# Altium PCB PCB1.PcbDoc (part 1 of 6)
Units mil, origin at the board's own origin, x right, y up, seen from the top; angles counter-clockwise.
Board outline 3937.01 x 3937.01 mil, 4 copper layers (Top Layer, GND, PWR, Bottom Layer), stack 72.967 mil thick; 11 components, 206 nets, 668 pads, 258 vias.
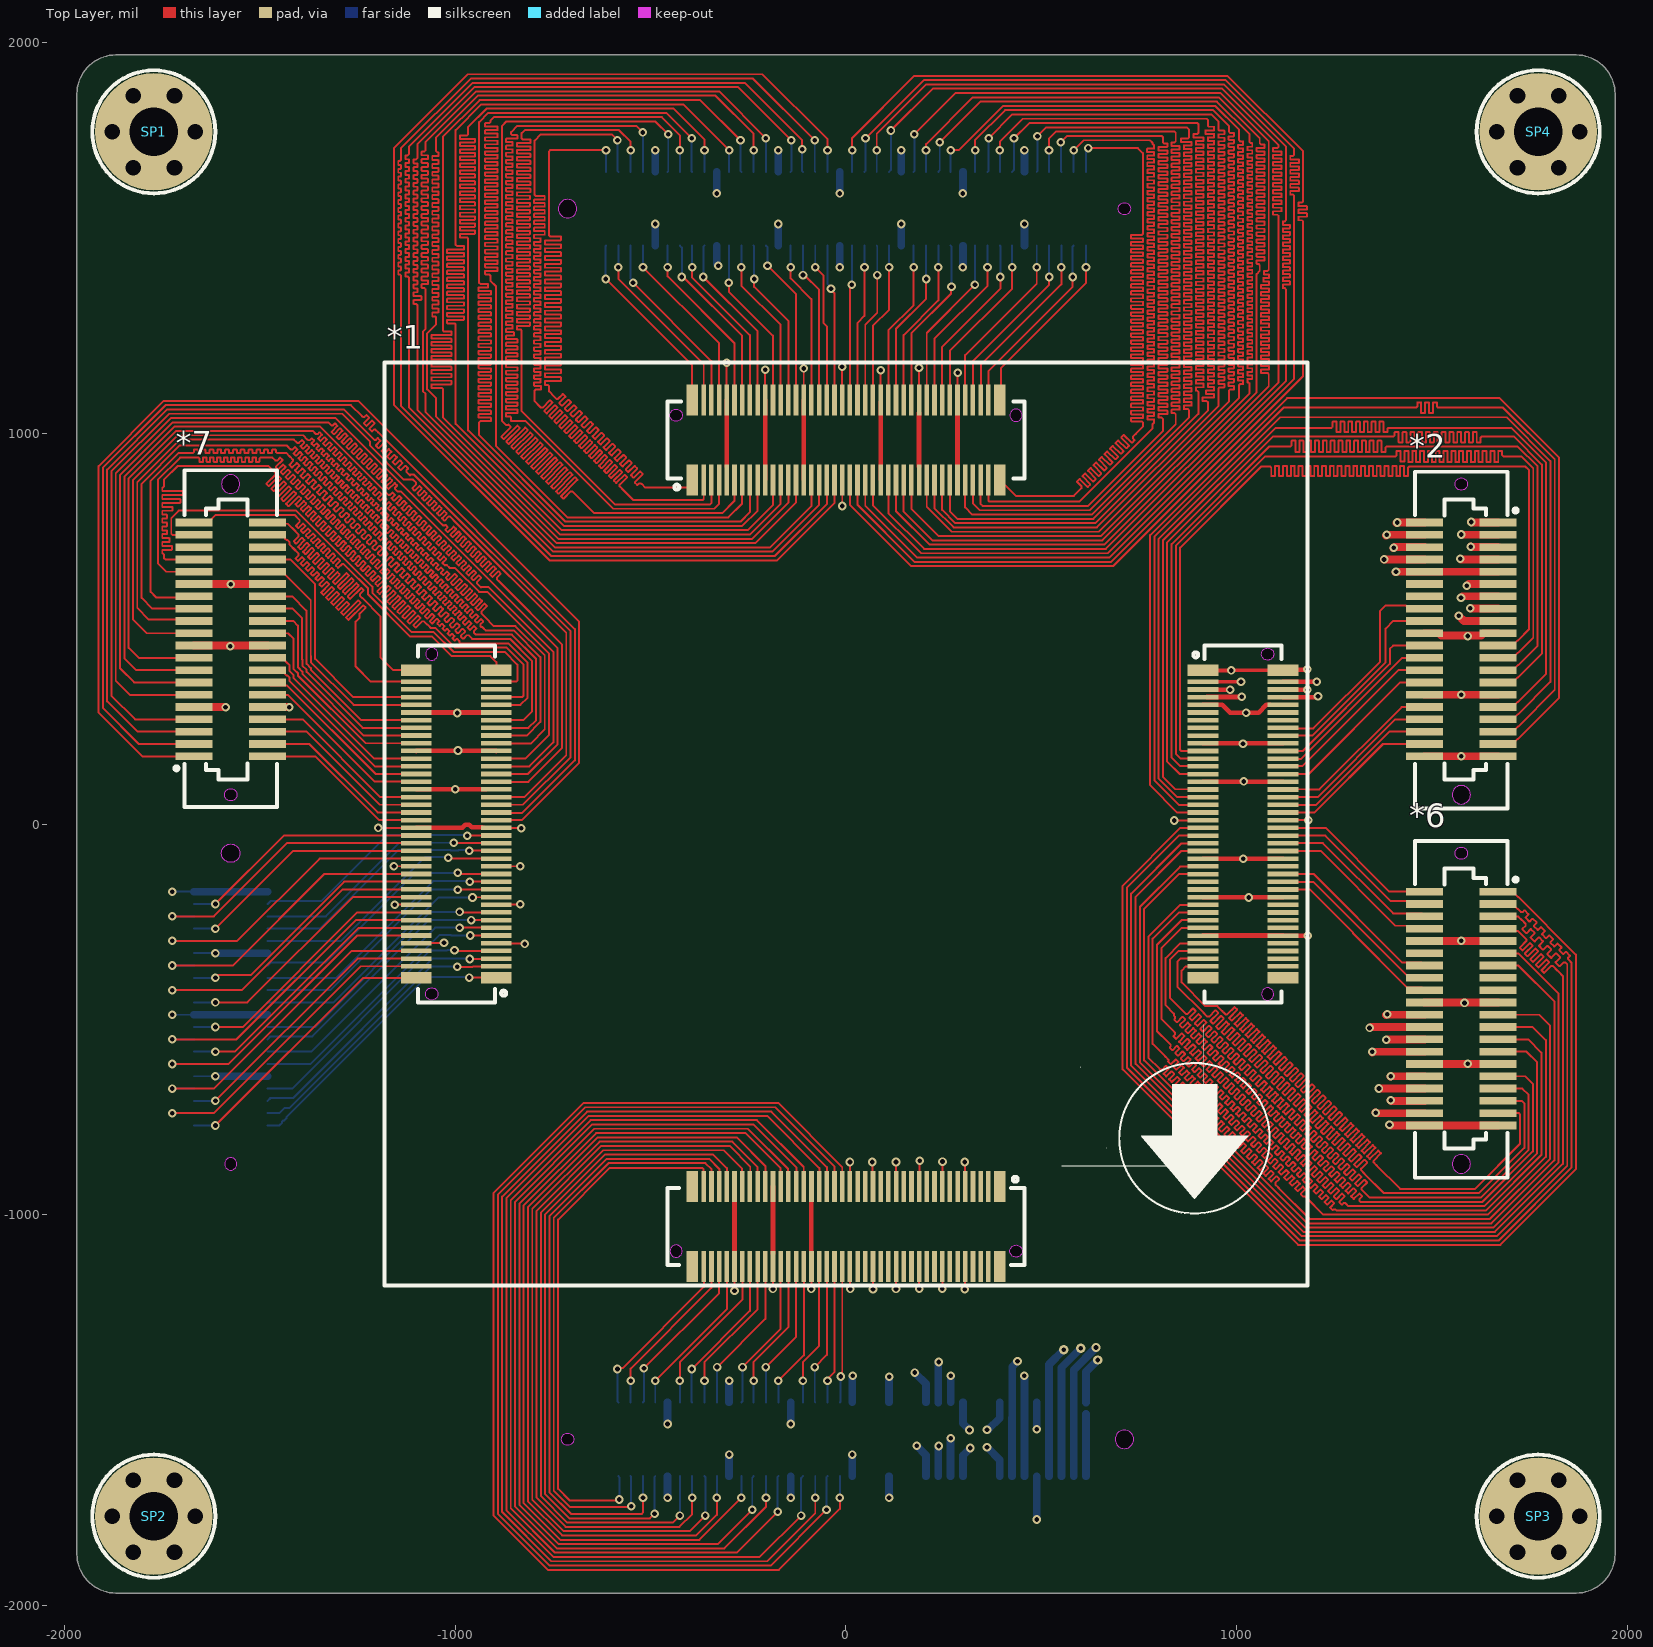
[diagram p0: Top Layer view]
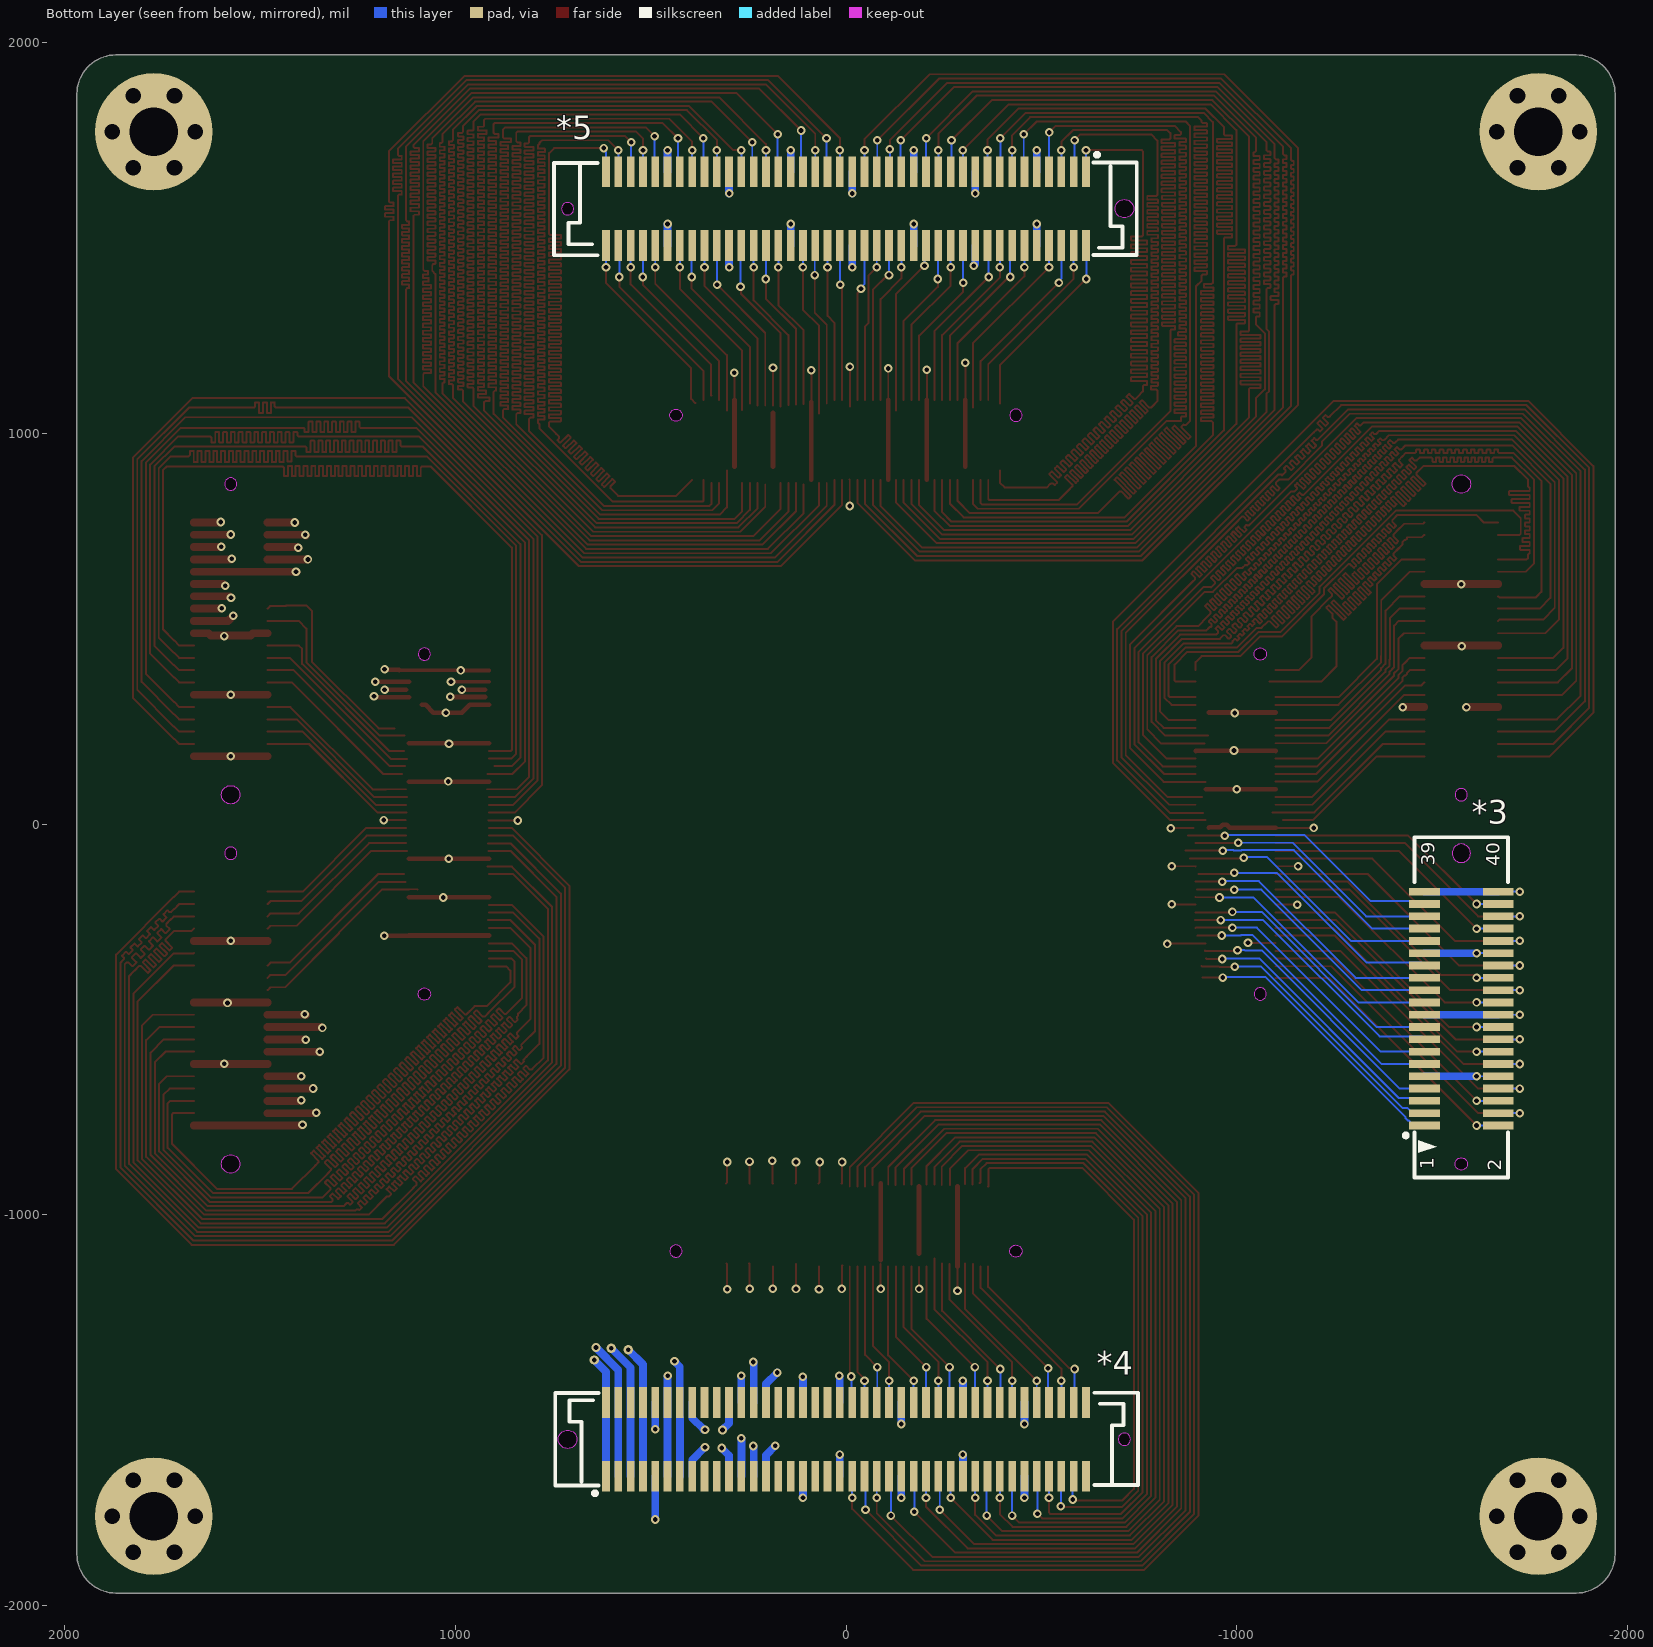
[diagram p1: Bottom Layer view, seen from below]
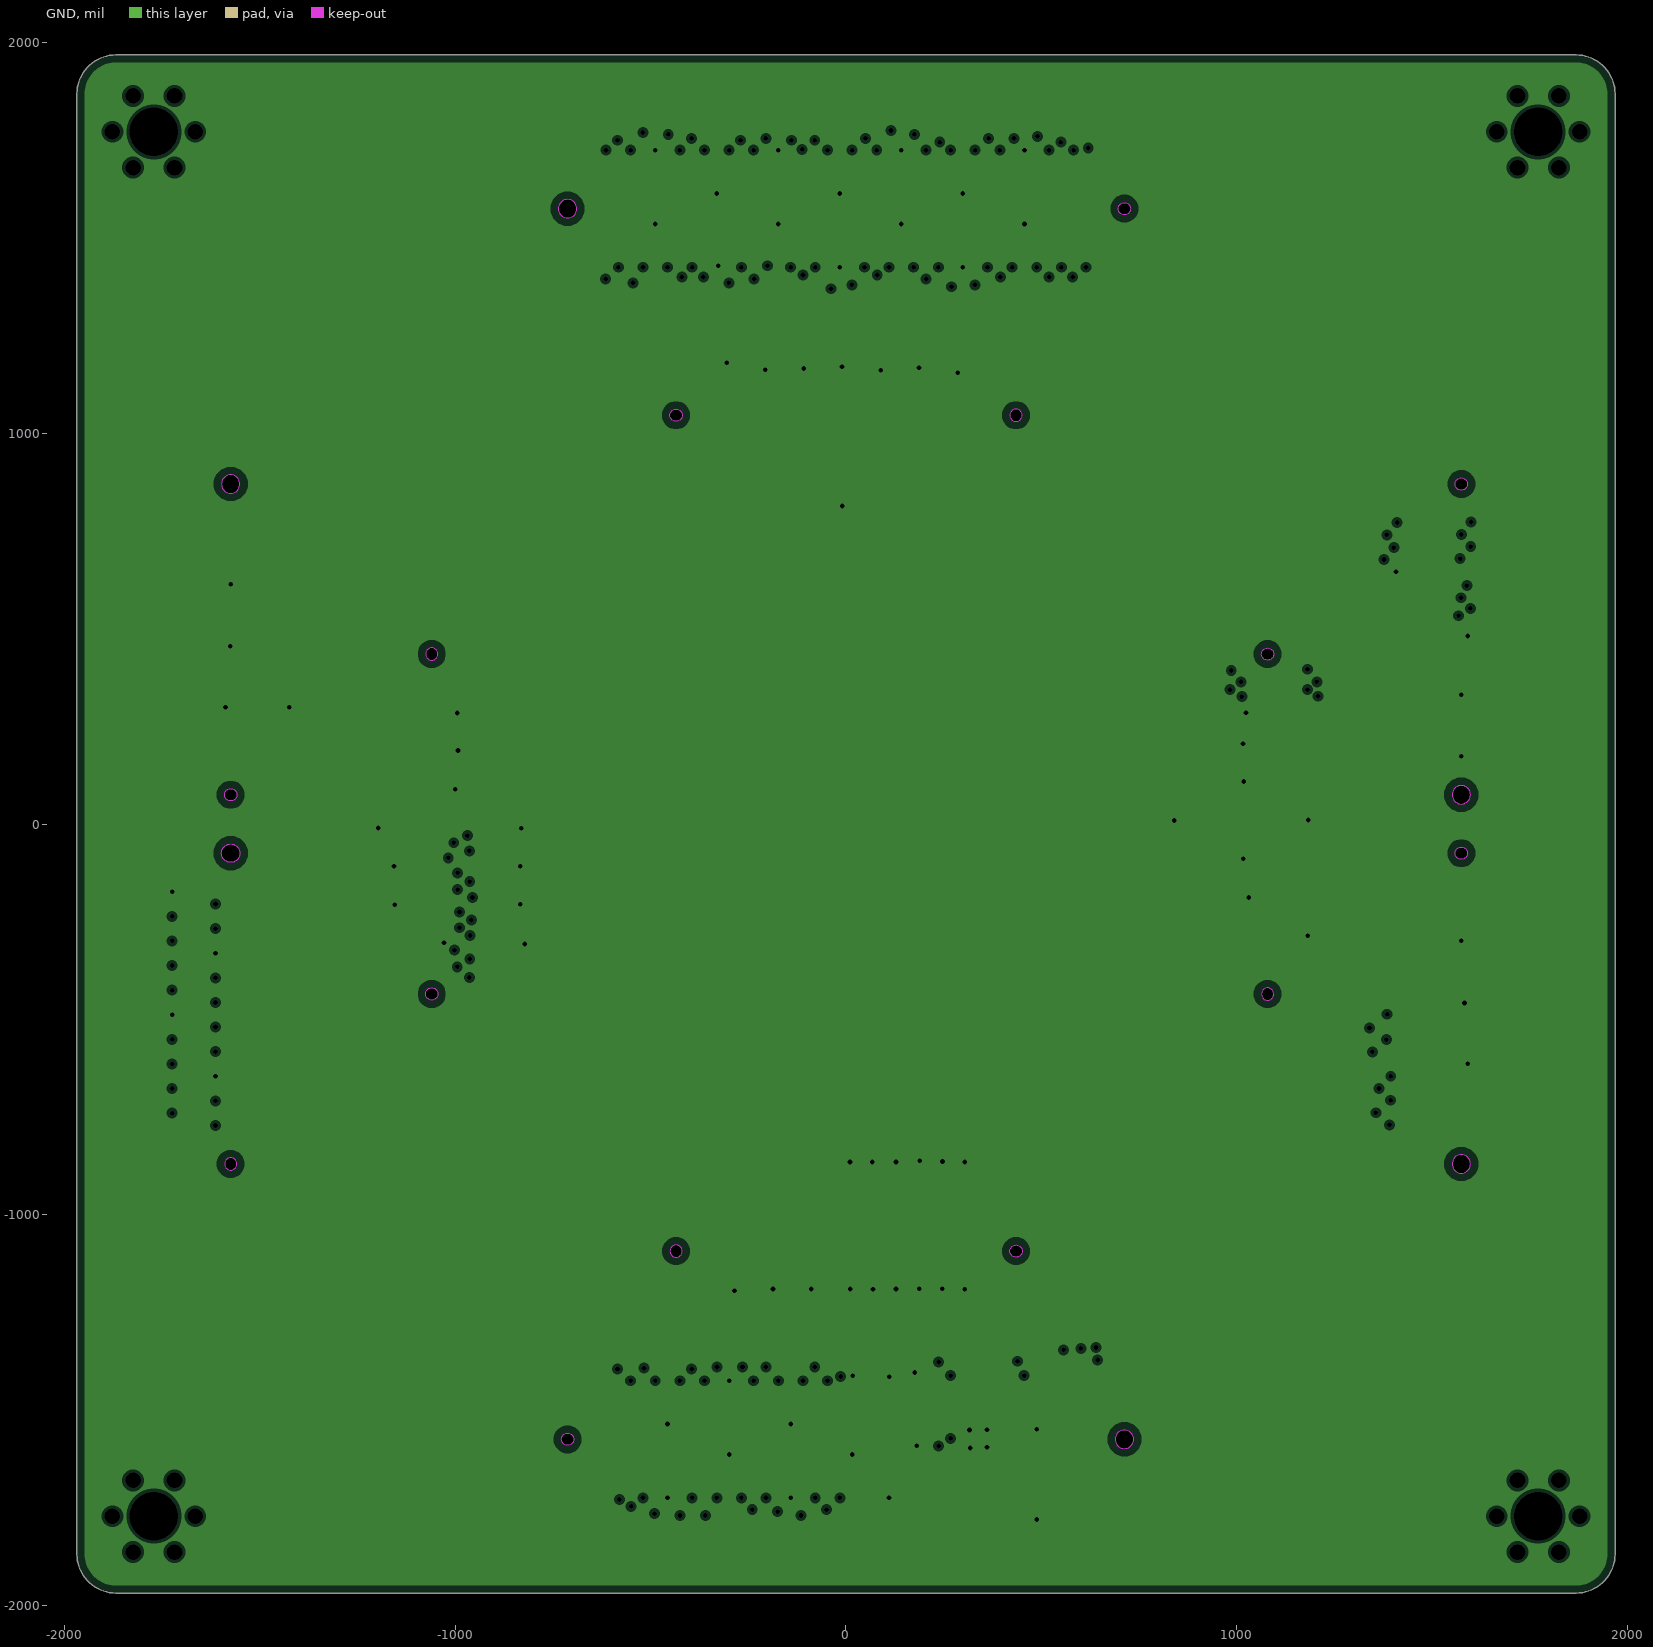
[diagram p2: GND, clearances drawn from the general rule]
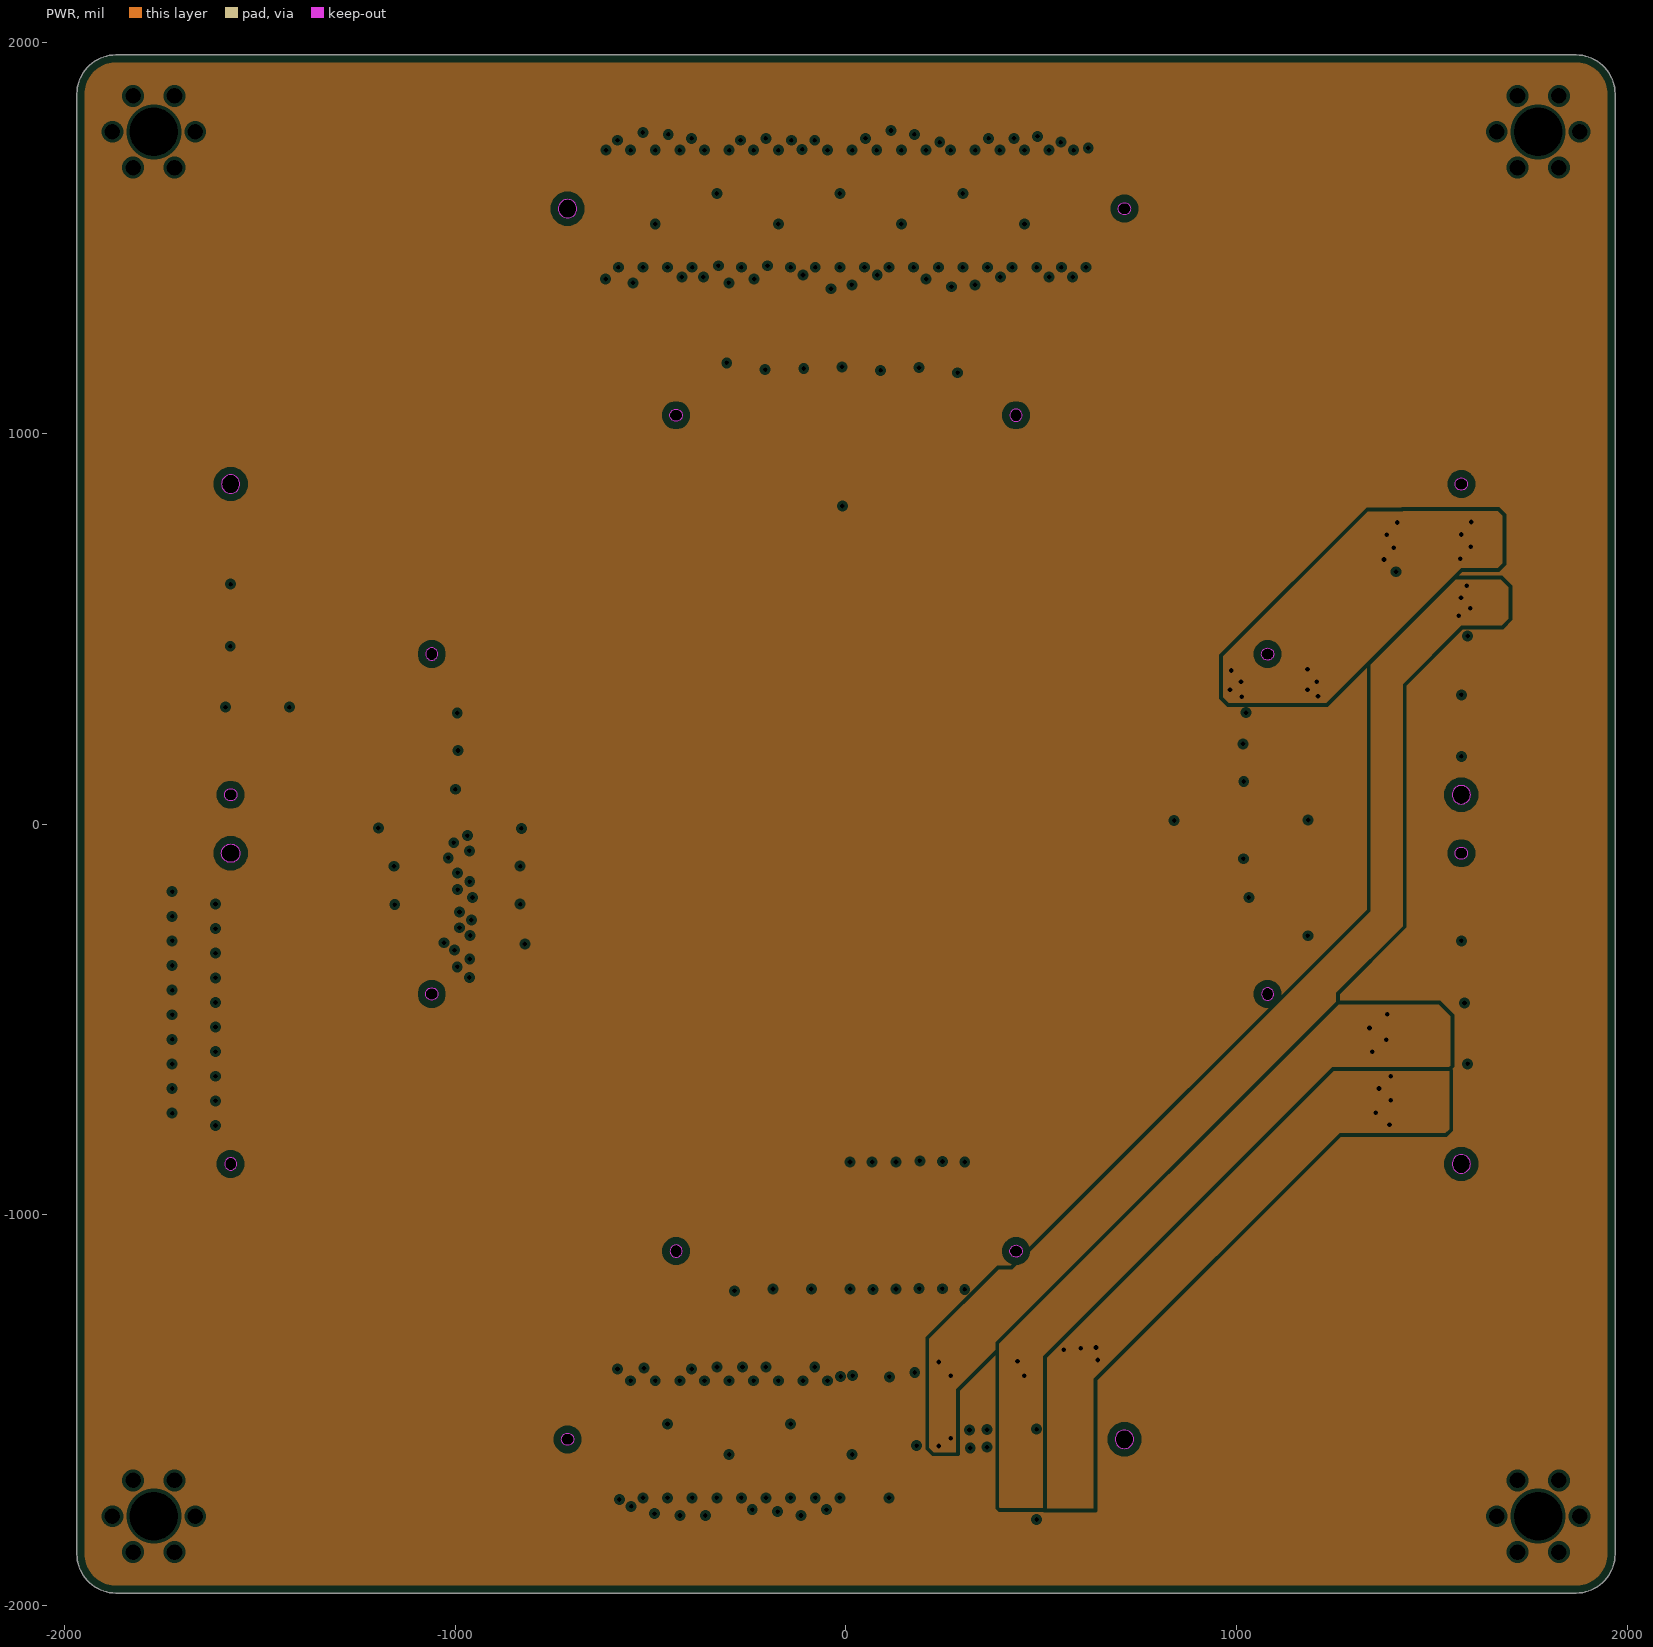
[diagram p3: PWR, clearances drawn from the general rule]

## Layer stack, top to bottom
Top Solder: solder mask 0.4, Solder Resist, Dk 3.5
Top Layer: signal copper 1.4
Dielectric 2: prepreg 2.8, PP-006, Dk 4.1
GND: plane copper 1.378, net GND
Dielectric 1: dielectric 61.811, FR-4, Dk 4.8
PWR: plane copper 1.378
Dielectric 3: prepreg 2.8, PP-006, Dk 4.1
Bottom Layer: signal copper 1.4
Bottom Solder: solder mask 0.4, Solder Resist, Dk 3.5

## Board outline
-1968.5,-1868.5 -1968.5,1868.5 cw(c-1868.5,1868.5) -1868.5,1968.5 1868.5,1968.5 cw(c1868.5,1868.5) 1968.5,1868.5 1968.5,-1868.5 cw(c1868.5,-1868.5) 1868.5,-1968.5 -1868.5,-1968.5 cw(c-1868.5,-1868.5)

## Design rules (kind name [scope] priority, off if disabled: settings)
Clearance [All] p1: gap=6 ignorepadtopadclearanceinfootprint=FALSE
PlaneClearance [All] p1: clearance=8
PlaneConnect [All] p1: planeconnectstyle=Direct reliefexpansion=20 reliefentries=4 reliefconductorwidth=10 reliefairgap=10
PolygonConnect [All] p1: connectstyle=Direct reliefconductorwidth=10 reliefentries=4 polygonreliefangle="90 Angle" airgapwidth=10
RoutingVias [All] p1: holewidth=12 width=22 viastyle="Through Hole" minholewidth=12 minwidth=22 maxholewidth=12 maxwidth=22
SolderMaskExpansion [All] p1: expansion=4 istentingtop=FALSE
Width PWR [InNetClass('PWR')] p1: maxlimit=50 minlimit=10 preferedwidth=20
Width [All] p2: maxlimit=50 minlimit=5 preferedwidth=5
28 further rules are at their usual default settings.

## Components (designator, comment, footprint, x,y, rotation, side; value= is the part's Value field where it differs from the comment)
*1 "AX7A200" AX7A200 0,0 r0 top locked
*2 "BTB-08-40-G-H1.0" BTB-08-40-G-H1.0 1574.8,472.44 r270 top locked
*3 "BTB-08-40-G" BTB-08-40-G -1574.8,-472.44 r90 bottom locked
*4 "BTB-08-80-G" BTB-08-80-M 0,-1574.8 r180 bottom locked
*5 "BTB-08-80-G" BTB-08-80-M 0,1574.8 r0 bottom locked
*6 "BTB-08-40-G-H1.0" BTB-08-40-G-H1.0 1574.8,-472.44 r270 top locked
*7 "BTB-08-40-G-H1.0" BTB-08-40-G-H1.0 -1574.8,472.44 r90 top locked
SP1 "M3铜柱" M3x10_N -1771.65,1771.65 r0 top locked
SP2 "M3铜柱" M3x10_N -1771.65,-1771.65 r0 top locked
SP3 "M3铜柱" M3x10_N 1771.65,-1771.65 r0 top locked
SP4 "M3铜柱" M3x10_N 1771.65,1771.65 r0 top locked

## Footprints (in the part's own frame and the unit in brackets; to place one, negate y for a bottom-side part, rotate by r counter-clockwise, add the part's x,y. Pads: shape width x height; smd on the part's side, far side on the other; paste and mask are expansions set on the pad)
AX7A200 [mm]
  rect 2x0.75 smd mask+0.05: 1(23.208,9.995) 2(28.408,9.995) 79(23.208,-10.005) 80(28.408,-10.005) 161(-22.73,-9.999) 162(-27.93,-9.999) 239(-22.73,10.001) 240(-27.93,10.001)
  rect 2x0.3 smd mask+0.05: 3(23.208,9.245) 4(28.408,9.245) 5(23.208,8.745) 6(28.408,8.745) 7(23.208,8.245) 8(28.408,8.245) 9(23.208,7.745) 10(28.408,7.745) 11(23.208,7.245) 12(28.408,7.245) 13(23.208,6.745) 14(28.408,6.745) 15(23.208,6.245) 16(28.408,6.245) 17(23.208,5.745) 18(28.408,5.746) 19(23.208,5.245) 20(28.408,5.245) 21(23.208,4.746) 22(28.408,4.746) 23(23.208,4.245) 24(28.408,4.245) 25(23.208,3.746) 26(28.408,3.746) 27(23.208,3.245) 28(28.408,3.246) 29(23.208,2.746) 30(28.408,2.746) 31(23.208,2.246) 32(28.408,2.246) 33(23.208,1.746) 34(28.408,1.746) 35(23.208,1.246) 36(28.408,1.246) 37(23.208,0.746) 38(28.408,0.746) 39(23.208,0.246) 40(28.408,0.246) 41(23.208,-0.254) 42(28.408,-0.254) 43(23.208,-0.754) 44(28.408,-0.754) 45(23.208,-1.254) 46(28.408,-1.254) 47(23.208,-1.754) 48(28.408,-1.754) 49(23.208,-2.254) 50(28.408,-2.254) 51(23.208,-2.754) 52(28.408,-2.754) 53(23.208,-3.254) 54(28.408,-3.254) 55(23.208,-3.754) 56(28.408,-3.754) 57(23.208,-4.254) 58(28.408,-4.254) 59(23.208,-4.755) 60(28.408,-4.754) 61(23.208,-5.254) 62(28.408,-5.254) 63(23.208,-5.755) 64(28.408,-5.755) 65(23.208,-6.255) 66(28.408,-6.254) 67(23.208,-6.755) 68(28.408,-6.755) 69(23.208,-7.255) 70(28.408,-7.255) 71(23.208,-7.755) 72(28.408,-7.755) 73(23.208,-8.255) 74(28.408,-8.255) 75(23.208,-8.755) 76(28.408,-8.755) 77(23.208,-9.255) 78(28.408,-9.255) 163(-22.73,-9.249) 164(-27.93,-9.249) 165(-22.73,-8.749) 166(-27.93,-8.749) 167(-22.73,-8.249) 168(-27.93,-8.249) 169(-22.73,-7.749) 170(-27.93,-7.749) 171(-22.73,-7.249) 172(-27.93,-7.249) 173(-22.73,-6.749) 174(-27.93,-6.749) 175(-22.73,-6.249) 176(-27.93,-6.249) 177(-22.73,-5.749) 178(-27.93,-5.75) 179(-22.73,-5.249) 180(-27.93,-5.249) 181(-22.73,-4.75) 182(-27.93,-4.75) 183(-22.73,-4.249) 184(-27.93,-4.249) 185(-22.73,-3.75) 186(-27.93,-3.75) 187(-22.73,-3.249) 188(-27.93,-3.25) 189(-22.73,-2.75) 190(-27.93,-2.75) 191(-22.73,-2.25) 192(-27.93,-2.25) 193(-22.73,-1.75) 194(-27.93,-1.75) 195(-22.73,-1.25) 196(-27.93,-1.25) 197(-22.73,-0.75) 198(-27.93,-0.75) 199(-22.73,-0.25) 200(-27.93,-0.25) 201(-22.73,0.25) 202(-27.93,0.25) 203(-22.73,0.75) 204(-27.93,0.75) 205(-22.73,1.25) 206(-27.93,1.25) 207(-22.73,1.75) 208(-27.93,1.75) 209(-22.73,2.25) 210(-27.93,2.25) 211(-22.73,2.75) 212(-27.93,2.75) 213(-22.73,3.25) 214(-27.93,3.25) 215(-22.73,3.75) 216(-27.93,3.75) 217(-22.73,4.25) 218(-27.93,4.25) 219(-22.73,4.751) 220(-27.93,4.75) 221(-22.73,5.25) 222(-27.93,5.25) 223(-22.73,5.751) 224(-27.93,5.751) 225(-22.73,6.251) 226(-27.93,6.25) 227(-22.73,6.751) 228(-27.93,6.751) 229(-22.73,7.251) 230(-27.93,7.251) 231(-22.73,7.751) 232(-27.93,7.751) 233(-22.73,8.251) 234(-27.93,8.251) 235(-22.73,8.751) 236(-27.93,8.751) 237(-22.73,9.251) 238(-27.93,9.251)
  rect 0.75x2 smd mask+0.05: 81(-9.999,22.372) 82(-9.999,27.572) 159(10.001,22.372) 160(10.001,27.572) 241(10.005,-23.568) 242(10.005,-28.768) 319(-9.995,-23.568) 320(-9.995,-28.768)
  rect 0.3x2 smd mask+0.05: 83(-9.249,22.372) 84(-9.249,27.572) 85(-8.749,22.372) 86(-8.749,27.572) 87(-8.249,22.372) 88(-8.249,27.572) 89(-7.749,22.372) 90(-7.749,27.572) 91(-7.249,22.372) 92(-7.249,27.572) 93(-6.749,22.372) 94(-6.749,27.572) 95(-6.249,22.372) 96(-6.249,27.572) 97(-5.749,22.372) 98(-5.749,27.572) 99(-5.249,22.372) 100(-5.249,27.572) 101(-4.749,22.372) 102(-4.749,27.572) 103(-4.249,22.372) 104(-4.249,27.572) 105(-3.749,22.372) 106(-3.749,27.572) 107(-3.249,22.372) 108(-3.25,27.572) 109(-2.749,22.372) 110(-2.749,27.572) 111(-2.25,22.372) 112(-2.25,27.572) 113(-1.749,22.372) 114(-1.749,27.572) 115(-1.25,22.372) 116(-1.25,27.572) 117(-0.749,22.372) 118(-0.749,27.572) 119(-0.25,22.372) 120(-0.25,27.572) 121(0.251,22.372) 122(0.25,27.572) 123(0.75,22.372) 124(0.75,27.572) 125(1.25,22.372) 126(1.25,27.572) 127(1.75,22.372) 128(1.75,27.572) 129(2.25,22.372) 130(2.25,27.572) 131(2.75,22.372) 132(2.75,27.572) 133(3.251,22.372) 134(3.25,27.572) 135(3.75,22.372) 136(3.75,27.572) 137(4.251,22.372) 138(4.251,27.572) 139(4.751,22.372) 140(4.75,27.572) 141(5.251,22.372) 142(5.251,27.572) 143(5.751,22.372) 144(5.751,27.572) 145(6.251,22.372) 146(6.251,27.572) 147(6.751,22.372) 148(6.751,27.572) 149(7.251,22.372) 150(7.251,27.572) 151(7.751,22.372) 152(7.751,27.572) 153(8.251,22.372) 154(8.251,27.572) 155(8.751,22.372) 156(8.751,27.572) 157(9.251,22.372) 158(9.251,27.572) 243(9.255,-23.568) 244(9.255,-28.768) 245(8.755,-23.568) 246(8.755,-28.768) 247(8.255,-23.568) 248(8.255,-28.768) 249(7.755,-23.568) 250(7.755,-28.768) 251(7.255,-23.568) 252(7.255,-28.768) 253(6.755,-23.568) 254(6.755,-28.768) 255(6.255,-23.568) 256(6.255,-28.768) 257(5.755,-23.568) 258(5.755,-28.768) 259(5.255,-23.568) 260(5.255,-28.768) 261(4.755,-23.568) 262(4.755,-28.768) 263(4.255,-23.568) 264(4.255,-28.768) 265(3.755,-23.568) 266(3.755,-28.768) 267(3.255,-23.568) 268(3.255,-28.768) 269(2.755,-23.568) 270(2.755,-28.768) 271(2.255,-23.568) 272(2.255,-28.768) 273(1.755,-23.568) 274(1.755,-28.768) 275(1.255,-23.568) 276(1.255,-28.768) 277(0.755,-23.568) 278(0.755,-28.768) 279(0.255,-23.568) 280(0.255,-28.768) 281(-0.245,-23.568) 282(-0.245,-28.768) 283(-0.745,-23.568) 284(-0.745,-28.768) 285(-1.245,-23.568) 286(-1.245,-28.768) 287(-1.745,-23.568) 288(-1.745,-28.768) 289(-2.245,-23.568) 290(-2.245,-28.768) 291(-2.745,-23.568) 292(-2.745,-28.768) 293(-3.245,-23.568) 294(-3.245,-28.768) 295(-3.745,-23.568) 296(-3.745,-28.768) 297(-4.245,-23.568) 298(-4.245,-28.768) 299(-4.745,-23.568) 300(-4.745,-28.768) 301(-5.245,-23.568) 302(-5.245,-28.768) 303(-5.745,-23.568) 304(-5.745,-28.768) 305(-6.245,-23.568) 306(-6.245,-28.768) 307(-6.745,-23.568) 308(-6.745,-28.768) 309(-7.245,-23.568) 310(-7.245,-28.768) 311(-7.745,-23.568) 312(-7.745,-28.768) 313(-8.245,-23.568) 314(-8.245,-28.768) 315(-8.745,-23.568) 316(-8.745,-28.768) 317(-9.245,-23.568) 318(-9.245,-28.768)
  Top Layer lines w0.254: 25.044,9.982 25.038,9.989 23.215,9.989 23.208,9.995 28.408,9.995
  Keep-Out Layer board cut-out: -26.93,10.651 -26.777,10.681 -26.648,10.768 -26.561,10.897 -26.53,11.051 -26.53,11.051 -26.561,11.204 -26.648,11.333 -26.777,11.42 -26.93,11.451 -26.93,11.451 -27.083,11.42 -27.213,11.333 -27.3,11.204 -27.33,11.051 -27.33,11.051 -27.3,10.897 -27.213,10.768 -27.083,10.681 -26.93,10.651
  Keep-Out Layer board cut-out: -26.53,-11.05 -26.561,-11.203 -26.647,-11.332 -26.777,-11.419 -26.93,-11.45 -26.93,-11.45 -27.083,-11.419 -27.213,-11.332 -27.3,-11.203 -27.33,-11.05 -27.33,-11.05 -27.3,-10.896 -27.213,-10.767 -27.083,-10.68 -26.93,-10.65 -26.93,-10.65 -26.777,-10.68 -26.647,-10.767 -26.561,-10.896 -26.53,-11.05
  Keep-Out Layer board cut-out: -11.049,26.172 -11.202,26.202 -11.332,26.289 -11.419,26.419 -11.449,26.572 -11.449,26.572 -11.419,26.725 -11.332,26.854 -11.202,26.941 -11.049,26.972 -11.049,26.972 -10.896,26.941 -10.767,26.854 -10.68,26.725 -10.649,26.572 -10.649,26.572 -10.68,26.419 -10.767,26.289 -10.896,26.202 -11.049,26.172
  Keep-Out Layer board cut-out: 10.651,26.572 10.681,26.419 10.768,26.289 10.898,26.202 11.051,26.172 11.051,26.172 11.204,26.202 11.334,26.289 11.42,26.419 11.451,26.572 11.451,26.572 11.42,26.725 11.334,26.855 11.204,26.941 11.051,26.972 11.051,26.972 10.898,26.941 10.768,26.855 10.681,26.725 10.651,26.572
  Keep-Out Layer board cut-out: -10.645,-27.768 -10.675,-27.615 -10.762,-27.485 -10.892,-27.398 -11.045,-27.368 -11.045,-27.368 -11.198,-27.398 -11.328,-27.485 -11.415,-27.615 -11.445,-27.768 -11.445,-27.768 -11.415,-27.921 -11.328,-28.051 -11.198,-28.137 -11.045,-28.168 -11.045,-28.168 -10.892,-28.137 -10.762,-28.051 -10.675,-27.921 -10.645,-27.768
  Keep-Out Layer board cut-out: 11.055,-27.368 11.208,-27.398 11.338,-27.485 11.425,-27.614 11.455,-27.768 11.455,-27.768 11.425,-27.921 11.338,-28.05 11.208,-28.137 11.055,-28.168 11.055,-28.168 10.902,-28.137 10.772,-28.05 10.685,-27.921 10.655,-27.768 10.655,-27.768 10.685,-27.614 10.772,-27.485 10.902,-27.398 11.055,-27.368